# Altium PCB STM32F103最小系统板V1_0.PcbDoc (part 2 of 2)
Units mil, origin at the board's own origin, x right, y up, seen from the top; angles counter-clockwise.
Board outline 3570.03 x 4250.03 mil, 2 copper layers (Top Layer, Bottom Layer); 203 components, 158 nets, 636 pads, 276 vias.
Unrouted connection lines stored in the file: 3.
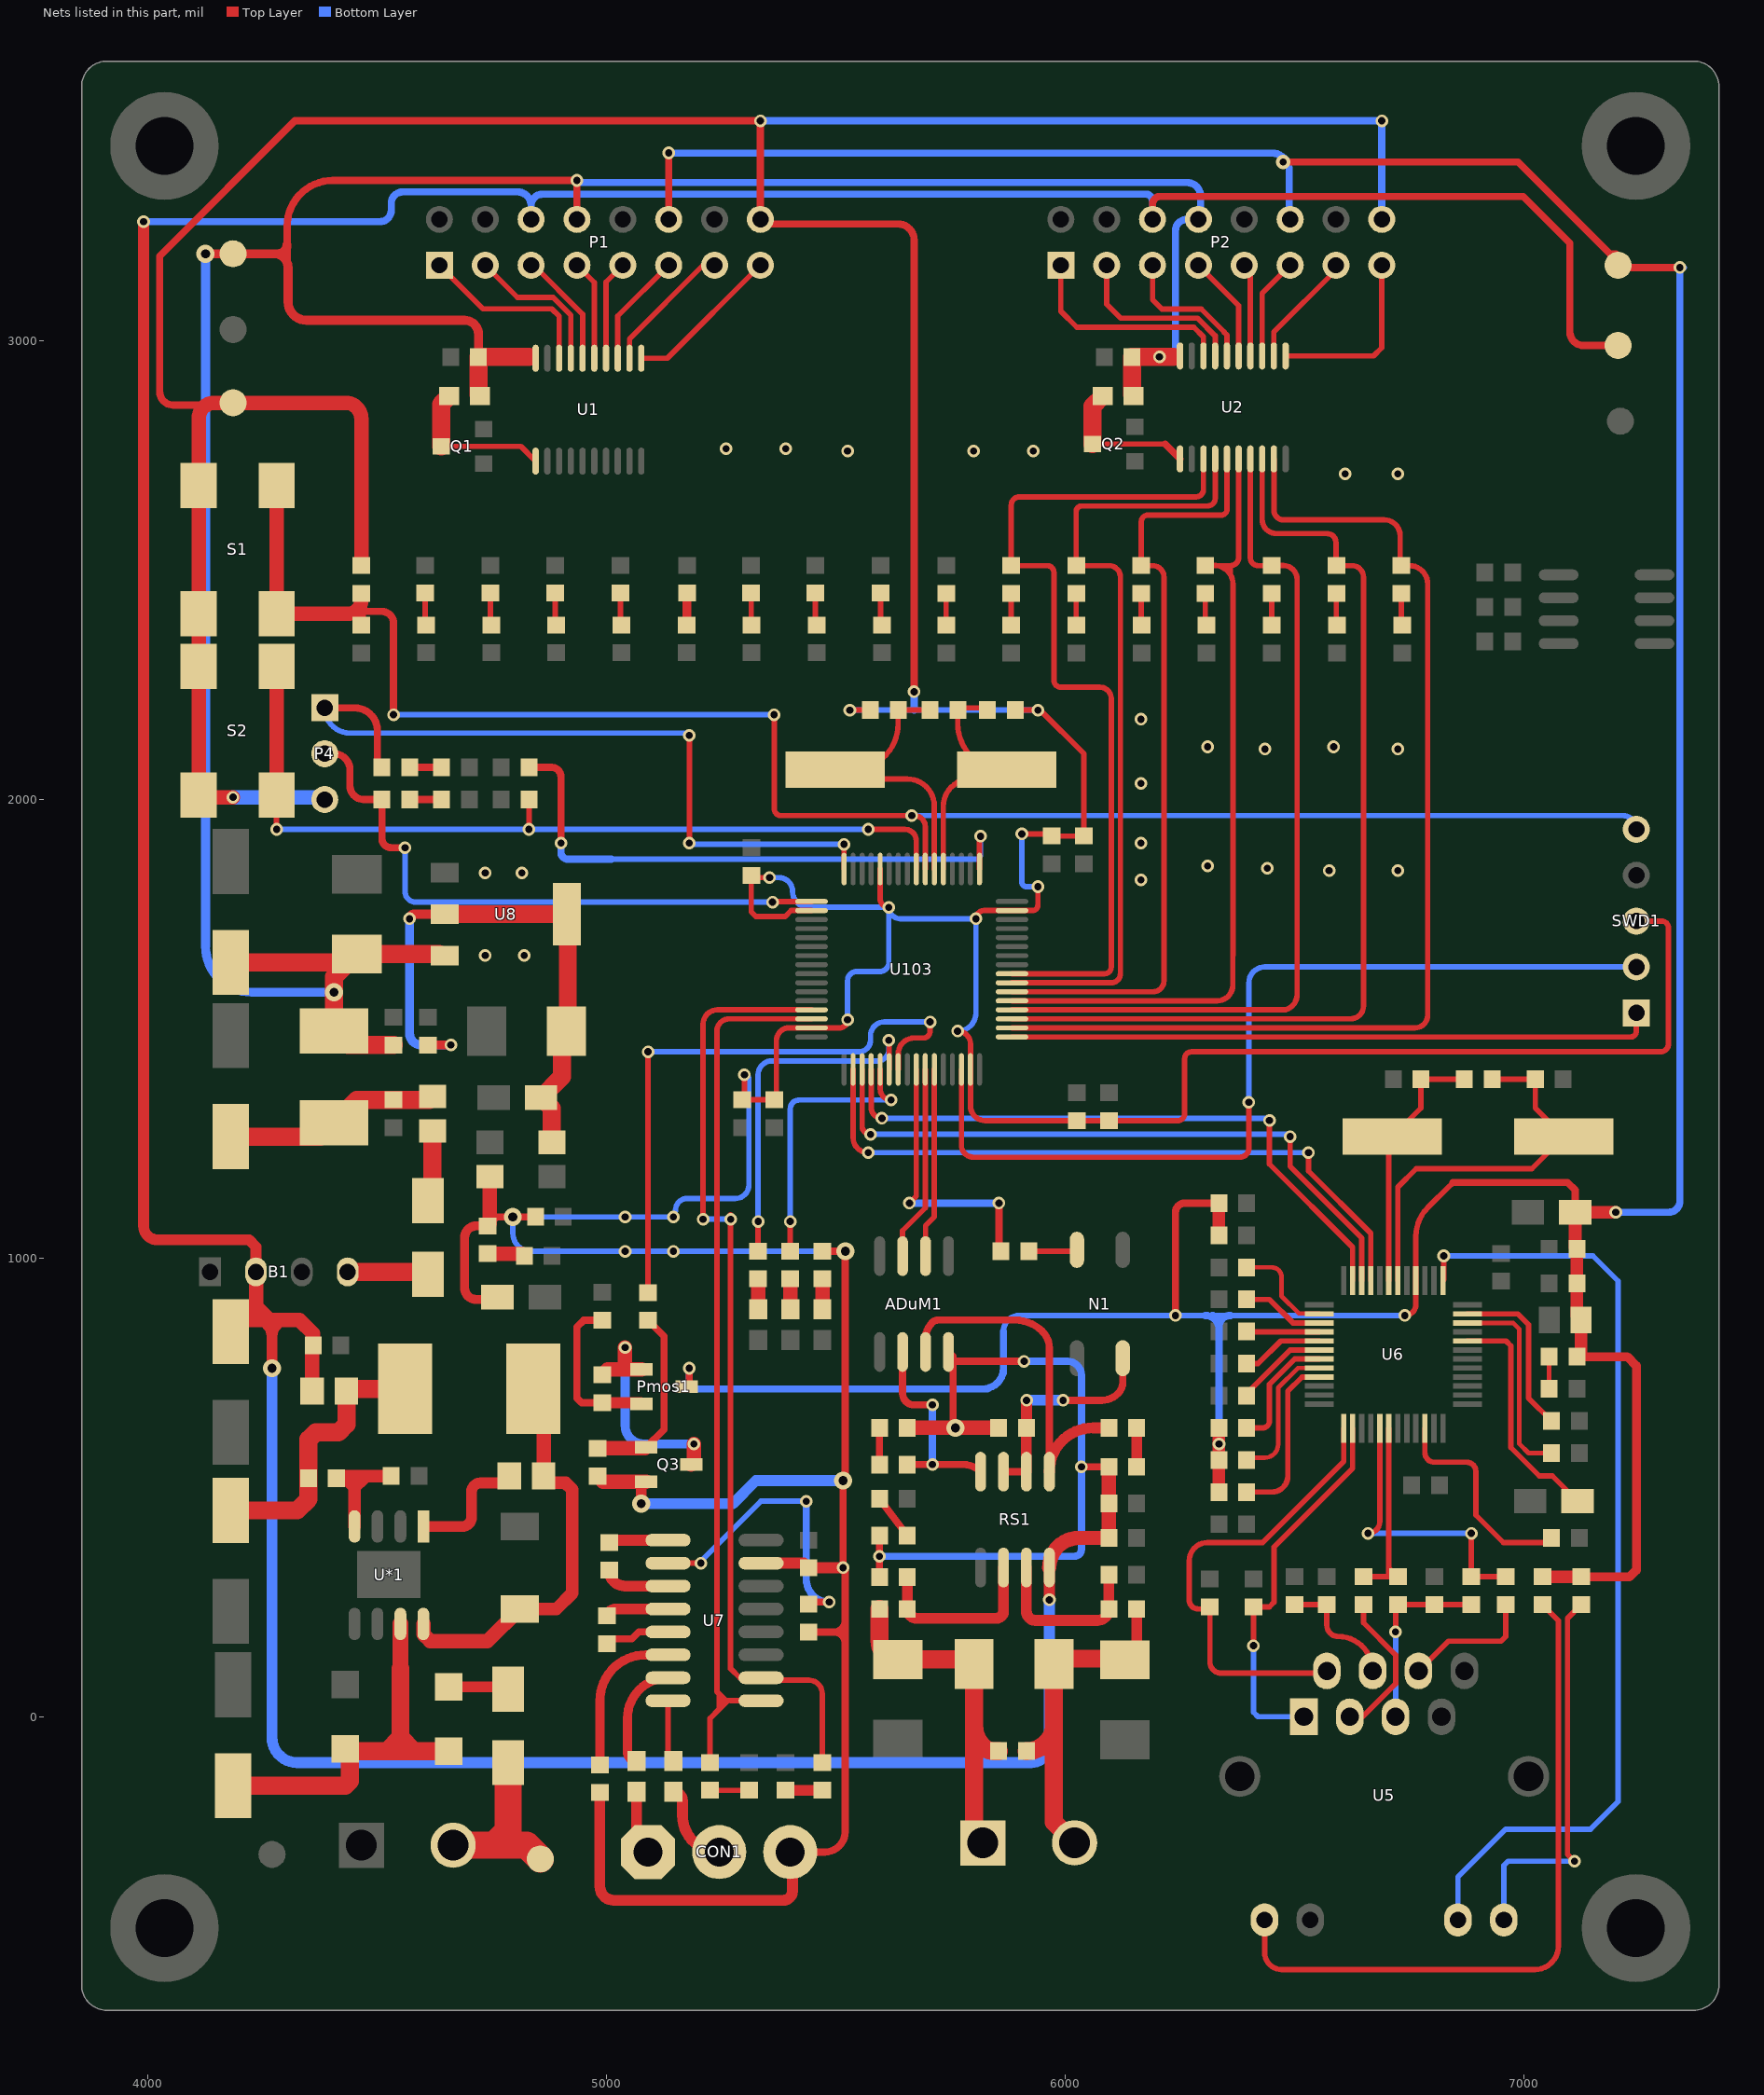
[diagram p2: the nets of this part, all layers, seen from the top]

## Via types
v1: diameter 27.56, hole 15.75, Top Layer to Bottom Layer, 227 vias
v2: diameter 31.5, hole 23.62, Top Layer to Bottom Layer, 32 vias
v3: diameter 39.37, hole 19.68, Top Layer to Bottom Layer, 14 vias
v4: diameter 51.18, hole 27.56, Top Layer to Bottom Layer, 2 vias
v5: diameter 31.5, hole 15.75, Top Layer to Bottom Layer, 1 vias

## Nets (pads, with @x,y where several pads share a name; then routed paths per layer and width w, separated by ;. In a path a pad name is that pad's centre, name@x,y a point inside that pad or via, vN(x,y) a via of type N, cw(c..) or ccw(c..) an arc to the next point about the centre after c; other vN are vias at no path point) (continued)
IN_OUT10: D4.K U2.3 U103.56 | length 1931.9
  Top Layer w11.81: U103.56@5883.5,1620.16 6085.16,1620.16 ccw(c6085.16,1635) 6100,1635 6100,2220 ccw(c6075,2220) 6075,2245 5990,2245 cw(c5990,2260) 5975,2260 5975,2495 ccw(c5960,2495) 5960,2510 D4.K@5881.8,2510 5881.8,2641.8 cw(c5900,2641.8) 5900,2660 6285,2660 ccw(c6285,2676.02) 6301.02,2676.02 U2.3@6301.02,2742.8
IN_OUT11: D6.K U2.4 U103.55 | length 1756.9
  Top Layer w11.81: U103.55@5883.5,1600.47 5965,1600.47 ; 5975,1600.47 5965,1600.47 ; U2.4@6326.61,2742.8 6326.61,2656.61 cw(c6310,2656.61) 6310,2640 6035,2640 ccw(c6035,2628.6) 6023.6,2628.6 D6.K@6023.6,2510 6095,2510 cw(c6095,2485) 6120,2485 6120,1620.47 cw(c6100,1620.47) 6100,1600.47 5965,1600.47
IN_OUT12: D8.K U2.5 U103.54 | length 1697.3
  Top Layer w11.81: U103.54@5883.5,1580.79 6190.79,1580.79 ccw(c6190.79,1605) 6215,1605 6215,1680.79 6215,2485 ccw(c6190,2485) 6190,2510 D8.K@6165.39,2510 6165.39,2605.39 cw(c6180.31,2605.39) 6180.31,2620.32 6340.31,2620.31 ccw(c6340.31,2632.2) 6352.2,2632.2 U2.5@6352.2,2742.8
IN_OUT13: D12.K U2.6 U103.53 | length 1791.6
  Top Layer w11.81: U103.53@5883.5,1561.1 6331.1,1561.1 ccw(c6331.1,1595) 6365,1595 6365,1675 6365.31,1675 ; 6365.31,1661.1 6365.31,1675 ; U2.6@6377.8,2742.8 6377.8,2527.8 cw(c6360,2527.8) 6360,2510 ; 6330.03,2510 cw(c6325,2470) 6360,2490.01 ; 6330.03,2510 ccw(c6325,2470) 6325,2510.31 D12.K@6305,2510.31 6305,2510 6330.03,2510 ; 6330.03,2510 6360,2510 ; 6360,2490.01 cw(c6325,2470) 6365.31,2470 6365.31,1675 ; 6360,2490.01 6360,2510
IN_OUT14: D11.K U2.7 U103.52 | length 1911.4
  Top Layer w11.81: U103.52@5883.5,1541.42 6395,1541.42 ; U2.7@6403.39,2742.8 6403.39,2526.61 ccw(c6420,2526.61) 6420,2510 D11.K@6450,2510 ; 6405.31,1541.42 6395,1541.42 ; D11.K@6450,2520 D11.K@6450,2510.31 6475,2510.31 cw(c6475,2480) 6505.31,2480 6505.31,1575.31 cw(c6470,1575.31) 6479.9,1541.42 6395,1541.42
IN_OUT15: D14.K U2.8 U103.51 | length 2207.7
  Top Layer w11.81: U103.51@5883.5,1521.73 6621.73,1521.73 ccw(c6621.73,1550) 6650,1550 6650,1615 ; U2.8@6428.98,2742.8 6428.98,2611.02 ccw(c6460,2611.02) 6460,2580 6570,2580 cw(c6570,2560) 6590,2560 6590,2510.79 ccw(c6590.79,2510.79) D14.K@6590.79,2510 ; D14.K@6590.79,2524.21 D14.K@6590.79,2510 ; 6650,1595 6650,1615 ; 6650,2460 6650,2450 ; D14.K@6590.79,2510 6625,2510 cw(c6625,2485) 6650,2485 6650,2450 ; 6650,1615 6650,2450
IN_OUT16: D16.K U2.9 U103.50 | length 2428.5
  Top Layer w11.81: U103.50@5883.5,1502.05 6762.05,1502.05 ccw(c6762.05,1530) 6790,1530 6790,2470 ccw(c6750,2470) 6750,2510 D16.K@6732.58,2510 cw(c6732.58,2512.58) 6730,2512.58 6730,2575 ccw(c6695,2575) 6695,2610 6475,2610 cw(c6475,2630) 6455,2630 6455,2742.36 U2.9@6454.57,2742.8
INTERNETRST: R68.2 U103.39 | length 1333.2
  Top Layer w11.81: R68.2@5090,925 v1(5090,1450) ; U103.39@5635.47,1411.5 5635.47,1445.47 cw(c5670,1445.47) 5670,1480 5690,1480 ccw(c5690,1495) 5705,1495 v1(5705,1515)
  Bottom Layer w11.81: v1(5090,1450) 5550,1450 ccw(c5550,1475) 5575,1475 5575,1485 cw(c5605,1485) 5605,1515 v1(5705,1515)
LD1: D19.K U103.37 | length 621.2
  Top Layer w11.81: D19.K@5400,1015.31 v1(5400,1080) ; U103.37@5596.1,1411.5 5596.1,1368.9 ccw(c5620,1368.9) v1(5620,1345)
  Bottom Layer w11.81: v1(5400,1080) 5400,1325 cw(c5420,1325) 5420,1345 v1(5620,1345)
LD2: D20.K U103.38 | length 785
  Top Layer w11.81: D20.K@5330,1015.31 v1(5330,1080) ; v1(5615,1475) cw(c5615,1474.21) 5615.79,1474.21 U103.38@5615.79,1411.5
  Bottom Layer w11.81: v1(5330,1080) 5330,1400 cw(c5360,1400) 5360,1430 5590,1430 ccw(c5590,1455) 5615,1455 v1(5615,1475)
LINKLED: U5.11 U6.25 | length 2100.5
  Top Layer w11.81: U6.25@6825,953.15 v1(6825,1005)
  Bottom Layer w11.81: v1(6825,1005) 7150,1005 7205,950 7205,-185 7145,-245 6960,-245 6855.87,-349.13 U5.11@6855.87,-442.91
NetADuM1_6: ADuM1.6 D18.K RS1.4 | length 463.6
  Top Layer w15.75: ADuM1.6@5645,795.51 5645,705 ccw(c5670,705) 5670,680 v1(5710,680) ; D18.K@5655.31,550 v1(5710,550) 5777.55,550 cw(c5777.55,497.04) RS1.4@5815,534.49
  Bottom Layer w15.75: v1(5710,550) v1(5710,680)
NetADuM1_7: ADuM1.7 D17.K RS1.1 | length 810.2
  Top Layer w15.75: ADuM1.7@5695,795.51 5695,823.79 cw(c5746.21,823.79) 5710,860 cw(c5722.07,847.93) 5722.07,865 5889.65,865 cw(c5889.65,779.65) 5950,840 cw(c5913.79,803.79) 5965,803.79 RS1.1@5965,534.49
  Top Layer w23.62: RS1.1@5965,534.49 cw(c6060.51,534.49) 6060.51,630 D17.K@6094.69,630
NetB1_4: B1.4 D27.1 | length 190
  Top Layer w39.37: B1.4@4435,970 D27.1@4625,970
NetC4_2: C4.2 R30.2 U103.5 Y1.2 | length 584.9
  Top Layer w11.81: U103.5@5733.9,1848.5 5733.9,1985 cw(c5793.9,1985) Y1.2@5793.9,2045 ; Y1.2@5780,2045 Y1.2@5793.9,2045 ; C4.2@5829.69,2200 R30.2@5770.32,2200 ; Y1.2@5865.32,2065 cw(c5865.32,2165) 5765.32,2165 R30.2@5765.32,2195 ; Y1.2@5872.01,2045 Y1.2@5793.9,2045 ; R30.2@5765.32,2195 cw(c5770.32,2195) R30.2@5770.32,2200 ; R30.2@5765.32,2195 cw(c5770.32,2195) R30.2@5770.32,2200
NetC6_2: C6.2 R30.1 U103.6 Y1.1 | length 681.1
  Top Layer w11.81: Y1.1@5497.99,2045 5655,2045 cw(c5655,1985.79) 5714.21,1985.79 U103.6@5714.21,1848.5 ; Y1.1@5497.99,2065 5535.32,2065 ccw(c5535.32,2165) 5635.32,2165 C6.2@5635.32,2195 R30.1@5704.69,2195
NetC20_2: C20.2 R49.2 U6.31 Y2.1 | length 562
  Top Layer w11.81: U6.31@6705.16,951.42 6705.16,1257.16 Y2.1@6712.99,1265 6775.31,1327.32 C20.2@6775.31,1390 R49.2@6869.68,1390
NetC22_2: C22.2 R49.1 U6.30 Y2.2 | length 863.5
  Top Layer w11.81: U6.30@6724.84,951.42 6724.84,1154.84 6765,1195 7017.01,1195 Y2.2@7087.01,1265 7024.69,1327.32 7024.69,1395 7019.69,1390 R49.1@6930.31,1390
NetC27_1: C27.1 U6.20 | length 514.7
  Top Layer w11.81: U6.20@6876.42,819.53 6960.47,819.53 6971.22,808.78 6971.22,587.22 7033.44,525 7061.57,525 C27.1@7116.57,470
NetC32_1: C32.1 U7.3 | length 148.3
  Top Layer w23.62: C32.1@5005,319.69 ccw(c5039.69,319.69) 5039.69,285 U7.3@5133.54,285
NetC32_2: C32.2 U7.1 | length 131.2
  Top Layer w23.62: C32.2@5005,380.31 cw(c5009.69,380.31) 5009.69,385 U7.1@5133.54,385
NetC33_1: C33.1 U7.2 | length 655.9
  Top Layer w11.81: U7.2@5133.54,335 v1(5205,335)
  Top Layer w15.75: C33.1@5440,245.31 cw(c5444.69,245.31) 5444.69,250 v1(5485,250)
  Bottom Layer w11.81: v1(5205,335) 5205,338.97 5336.03,470 v1(5435,470)
  Bottom Layer w15.75: v1(5435,470) 5435,300 ccw(c5485,300) v1(5485,250)
NetC34_1: C34.1 U7.5 | length 146.1
  Top Layer w15.75: C34.1@5000,154.69 5015.31,170 5055,170 5070,185 U7.5@5133.54,185
NetC34_2: C34.2 U7.4 | length 144.8
  Top Layer w23.62: C34.2@5000,215.31 cw(c5019.69,215.31) 5019.69,235 U7.4@5133.54,235
NetC35_1: C35.1 U7.6 | length 345.3
  Top Layer w19.68: C35.1@4985,-104.69 4985,35 cw(c5085,35) 5085,135 U7.6@5133.54,135
NetC36_1: C36.1 D26.2 L2.1 U*1.8 | length 880.2
  Top Layer w27.56: D26.2@4810,235 4890,235 4925,270 4925,495 4910,510 C36.1@4872.4,510
  Top Layer w31.5: U*1.8@4600,202.4 4600,180 4615,165 4740,165 D26.2@4810,235 ; L2.1@4840,715 4862.4,692.6 C36.1@4862.4,525
NetC36_2: C36.2 U*1.1 | length 275.4
  Top Layer w23.62: U*1.1@4600,415 4685,415 ccw(c4685,435) 4705,435 4705,490 cw(c4725,490) 4725,510 C36.2@4797.6,510
NetC37_2: C37.2 E1.1 F1.2 U*1.7 | length 891.4
  Top Layer w35.04: 4550,105 U*1.7@4550,202.4
  Top Layer w39.37: E1.1@4185,-150 4430,-150 4440,-140 C37.2@4440,-75 ; C37.2@4420,-75 C37.2@4440,-75 ; 4550,105 4550,-45 ; F1.2@4655,-75 4580,-75 ; C37.2@4440,-75 4520,-75 ; 4520,-75 4550,-45 ; 4520,-75 4580,-75 ; 4550,-45 4580,-75
NetC40_2: C40.2 D29.2 E4.1 L3.1 U8.2 U8.4 | length 1281.3
  Top Layer w19.68: v1(4570,1740) cw(c4580,1740) 4580,1750 U8.2@4647.13,1750 ; C40.2@4610,1464.69 4610.31,1465 v1(4660,1465)
  Top Layer w39.37: U8.2@4647.13,1750 U8.4@4912.87,1750 4915,1750 4915,1526.26 D29.2@4892.87,1504.13 ; L3.1@4880,1252.4 4880,1326.57 E4.1@4856.57,1350 4902.01,1395.43 D29.2@4902.01,1495
  Bottom Layer w19.68: v1(4570,1740) 4570,1490 ccw(c4595,1490) 4595,1465 v1(4660,1465)
NetC41_2: C41.2 E6.1 F3.2 L4.1 | length 423.8
  Top Layer w39.37: E6.1@4180,1265 L4.1@4375,1265 ; L4.1@4405,1295 4455.31,1345.31 C41.2@4535,1345.31 F3.2@4612.91,1345.31
NetCON1_1: CON1.1 R61.1 | length 145.8
  Top Layer w23.62: R61.1@5065,-163.46 5065,-270 ccw(c5090,-270) CON1.1@5090,-295
NetCON1_2: CON1.2 R62.1 | length 188.6
  Top Layer w23.62: R62.1@5145,-163.46 cw(c5145,-183.46) 5165,-183.46 5165,-215 ccw(c5245,-215) CON1.2@5245,-295
NetD1_A: D1.A R3.2 | length 67.8
  Top Layer w11.81: R3.2@4604.21,2382.25 D1.A@4604.21,2450
NetD2_A: D2.A R4.2 | length 69.1
  Top Layer w11.81: R4.2@5740,2380.32 D2.A@5740,2449.37
NetD3_A: D3.A R5.2 | length 67.5
  Top Layer w11.81: R5.2@4746.01,2382.45 D3.A@4746.01,2450
NetD4_A: D4.A R6.2 | length 68.9
  Top Layer w11.81: R6.2@5881.8,2380.52 D4.A@5881.8,2449.37
NetD5_A: D5.A R7.2 | length 67.3
  Top Layer w11.81: R7.2@4887.81,2382.65 D5.A@4887.81,2450
NetD6_A: D6.A R8.2 | length 68.7
  Top Layer w11.81: R8.2@6023.6,2380.72 D6.A@6023.6,2449.37
NetD7_A: D7.A R9.2 | length 67.1
  Top Layer w11.81: R9.2@5029.61,2382.85 D7.A@5029.61,2450
NetD8_A: D8.A R10.2 | length 68.4
  Top Layer w11.81: R10.2@6165.39,2380.92 D8.A@6165.39,2449.37
NetD9_A: D9.A R13.2 | length 68.4
  Top Layer w11.81: R13.2@5314.83,2381.63 D9.A@5314.83,2450
NetD10_A: D10.A R11.2 | length 68.4
  Top Layer w19.68: R11.2@5174.83,2381.63 D10.A@5174.83,2450
NetD11_A: D11.A R14.2 | length 69.4
  Top Layer w11.81: R14.2@6450,2380.32 D11.A@6450,2449.68
NetD12_A: D12.A R12.2 | length 66.4
  Top Layer w11.81: R12.2@6305,2383.32 D12.A@6305,2449.68
NetD13_A: D13.A R15.2 | length 66.5
  Top Layer w11.81: R15.2@5455,2383.46 D13.A@5455,2450
NetD14_A: D14.A R16.2 | length 67.8
  Top Layer w11.81: R16.2@6590.79,2381.53 D14.A@6590.79,2449.37
NetD15_A: D15.A R17.2 | length 66.3
  Top Layer w11.81: R17.2@5596.8,2383.66 D15.A@5596.8,2450
NetD16_A: D16.A R18.2 | length 67.6
  Top Layer w11.81: R18.2@6732.58,2381.73 D16.A@6732.58,2449.37
NetD17_A: D17.A R20.1 | length 85
  Top Layer w23.62: R20.1@6155.31,545 D17.A@6155.32,630
NetD18_A: D18.A R21.2 | length 80
  Top Layer w15.75: D18.A@5594.68,550 R21.2@5594.68,630
NetD19_A: D19.A R32.2 | length 66.2
  Top Layer w31.5: R32.2@5400,888.46 D19.A@5400,954.68
NetD20_A: D20.A R34.2 | length 66.2
  Top Layer w31.5: R34.2@5330,888.46 D20.A@5330,954.68
NetD21_A: D21.A R36.1 | length 66.2
  Top Layer w31.5: R36.1@5470,888.46 D21.A@5470,954.68
NetD22_A: D22.A R46.1 | length 70
  Top Layer w10: D22.A@7054.68,715 R46.1@7054.69,785
NetD23_A: D23.A R59.1 | length 85
  Top Layer w11.81: D23.A@5225,-160.32 R59.1@5310,-160.31
NetD24_A: D24.A R60.2 | length 80
  Top Layer w23.62: R60.2@5390,-160.32 D24.A@5470,-160.32
NetD25_2: D25.2 F1.1 | length 132.9
  Top Layer w23.62: F1.1@4655,65 4780,65 cw(c4780,60) D25.2@4785,60
NetD27_2: D27.2 F3.1 | length 142.6
  Top Layer w39.37: D27.2@4620,1135 F3.1@4620,1277.6
NetD30_A: D30.A R65.1 | length 96.4
  Top Layer w15.75: D30.A@5594.68,475 R65.1@5652.91,398.18
NetD31_A: D31.A R66.2 | length 75.3
  Top Layer w31.5: D31.A@4740,1009.68 R66.2@4815.32,1009.68
NetD32_A: D32.A R71.2 | length 69.4
  Top Layer w15.75: D32.A@4570.32,2070 R71.2@4639.68,2070
NetD33_A: D33.A R70.2 | length 69.4
  Top Layer w15.75: D33.A@4570.32,2000 R70.2@4639.68,2000
NetE2_1: E2.1 F2.1 L2.2 R63.2 | length 601.4
  Top Layer w39.37: E2.1@4180,450 4325,450 4349.68,474.68 4349.68,540 4349.68,604.68 4365,620 4415,620 4432.4,637.4 F2.1@4432.4,710 ; F2.1@4437.4,715 L2.2@4560,715
NetFB1_1: FB1.1 P3.2 R24.2 TVS1.1 TVS2.2 | length 798
  Top Layer w23.62: TVS2.2@5975,115 cw(c5986.79,115) TVS2.2@5986.79,126.79 ; TVS1.1@6130,124.02 ccw(c6130,149.33) 6141.53,126.79 ccw(c6130,149.33) 6155.31,149.33 FB1.1@6155.31,235
  Top Layer w39.37: R24.2@5915.32,-75 ccw(c5915.32,-15.41) 5957.45,-57.55 5960.01,-54.99 ccw(c5923.79,-18.79) 5975,-18.79 ; TVS2.2@5975,115 5975,-18.79 ; TVS2.2@5986.79,126.79 TVS1.1@6141.53,126.79 ; P3.2@6020,-275 5975,-230 5975,-18.79
NetFB1_2: FB1.2 R23.2 RS1.7 | length 375.9
  Top Layer w23.62: RS1.7@5915,325.51 5915,230 ccw(c5935,230) 5935,210 6069.68,210 ccw(c6069.68,235) FB1.2@6094.68,235 R23.2@6094.68,310
NetFB2_1: FB2.1 P3.1 R24.1 TVS2.1 TVS3.2 | length 790.9
  Top Layer w39.37: FB2.1@5594.69,235 5594.69,165.31 ccw(c5635,165.31) TVS3.2@5635,125 5790.98,125 cw(c5790.98,115) TVS2.1@5800.98,115 5800.98,-19.09 ; P3.1@5820,-275 5800.98,-255.98 5800.98,-19.09 ; R24.1@5854.69,-75 5844.14,-75 cw(c5844.14,-40.86) 5820,-65 cw(c5865.91,-19.09) 5800.98,-19.09
NetFB2_2: FB2.2 R25.1 RS1.6 | length 395.2
  Top Layer w23.62: R25.1@5655.31,305 FB2.2@5655.32,235 ccw(c5675.31,235) 5675.31,215 5850,215 ccw(c5850,230) 5865,230 RS1.6@5865,325.51
NetJ1_1: J1.1 Pmos1.2 R67.2 | length 359.1
  Top Layer w15.75: R67.2@4990,684.68 4945.32,684.68 4935,695 4935,850 4949.69,864.69 J1.1@4990,864.69
  Top Layer w23.62: R67.2@4990,684.68 Pmos1.2@5073.7,684.68
NetN1_2: N1.2 R22.2 | length 106.5
  Top Layer w11.81: R22.2@5920.32,1015 6021.89,1015 ccw(c6021.89,1018.11) N1.2@6025,1018.11
NetN1_4: N1.4 R19.2 RS1.2 RS1.3 | length 488.8
  Top Layer w15.75: RS1.3@5865,534.49 RS1.2@5915,534.49 ; v1(5995,690) 6078.79,690 ccw(c6078.79,741.21) 6115,705 ccw(c6090.86,729.14) 6125,729.14 N1.4@6125,781.89
  Top Layer w23.62: RS1.2@5915,534.49 R19.2@5915,630 ; R19.2@5915.32,630 v1(5915.32,690)
  Bottom Layer w23.62: v1(5915.32,690) v1(5995,690)
NetP1_1: P1.1 U1.18 | length 398.8
  Top Layer w11.81: P1.1@4635,3165 4730,3070 4880,3070 4896.02,3053.98 U1.18@4896.02,2962.2
NetP1_3: P1.3 U1.17 | length 325.7
  Top Layer w11.81: P1.3@4735,3165 4805,3095 4882.84,3095 4921.61,3056.22 U1.17@4921.61,2962.2
NetP1_5: P1.5 U1.16 | length 252.6
  Top Layer w11.81: P1.5@4835,3165 4840.68,3165 4947.2,3058.47 U1.16@4947.2,2962.2
NetP1_7: P1.7 U1.15 | length 218.5
  Top Layer w11.81: P1.7@4935,3165 4972.8,3127.2 U1.15@4972.8,2962.2
NetP1_9: P1.9 U1.14 | length 218
  Top Layer w11.81: U1.14@4998.39,2962.2 4998.39,3128.39 P1.9@5035,3165
NetP1_11: P1.11 U1.13 | length 248.8
  Top Layer w11.81: U1.13@5023.98,2962.2 5023.98,3053.98 P1.11@5135,3165
NetP1_13: P1.13 U1.12 | length 294.2
  Top Layer w11.81: U1.12@5049.57,2962.2 5049.57,3004.57 5210,3165 P1.13@5235,3165
NetP1_15: P1.15 U1.11 | length 343.8
  Top Layer w11.81: U1.11@5075.16,2962.2 5132.2,2962.2 P1.15@5335,3165
NetP2_1: P2.1 U2.18 | length 476
  Top Layer w11.81: P2.1@5990,3165 5990,3065 6025,3030 6280,3030 6301.02,3008.98 U2.18@6301.02,2967.2
NetP2_3: P2.3 U2.17 | length 394.1
  Top Layer w11.81: P2.3@6090,3165 6090,3080 6120.31,3049.69 6288.15,3049.69 6326.61,3011.22 U2.17@6326.61,2967.2
NetP2_5: P2.5 U2.16 | length 315.2
  Top Layer w11.81: P2.5@6190,3165 6190,3090 6210.63,3069.37 6296.31,3069.37 6346.3,3019.38 6346.3,3018.7 6352.2,3012.8 U2.16@6352.2,2967.2
NetP2_7: P2.7 U2.15 | length 234.2
  Top Layer w11.81: P2.7@6290,3165 6377.8,3077.2 U2.15@6377.8,2967.2
NetP2_9: P2.9 U2.14 | length 203.3
  Top Layer w11.81: P2.9@6390,3165 6403.39,3151.61 U2.14@6403.39,2967.2
NetP2_11: P2.11 U2.13 | length 223.1
  Top Layer w11.81: U2.13@6428.98,2967.2 6428.98,3103.98 P2.11@6490,3165
NetP2_13: P2.13 U2.12 | length 253.9
  Top Layer w11.81: U2.12@6454.57,2967.2 6454.57,3019.57 6590,3155 P2.13@6590,3165
NetP2_15: P2.15 U2.11 | length 397.2
  Top Layer w11.81: U2.11@6480.16,2967.2 6672.2,2967.2 6690,2985 P2.15@6690,3165
NetPmos1_1: Pmos1.1 Q3.3 R67.1 | length 523.6
  Top Layer w31.5: R67.1@4990,745.31 5002.09,757.4 Pmos1.1@5075.79,757.4 ; 5040,762.4 v1(5040,805) ; Q3.3@5184.21,550 5190,555.79 v1(5190,595)
  Bottom Layer w19.68: v1(5040,805) 5040,635 ccw(c5080,635) 5080,595 v1(5190,595)
NetQ1_3: Q1.3 R1.1 U1.1 | length 336.8
  Top Layer w11.81: Q1.3@4638.74,2770 4812.64,2770 U1.1@4844.84,2737.8
  Top Layer w39.37: Q1.3@4638.74,2770 4638.74,2862.2 R1.1@4656.54,2880
NetQ2_3: Q2.3 R2.1 U2.1 | length 318.9
  Top Layer w11.81: Q2.3@6058.74,2775 6217.64,2775
  Top Layer w15.75: 6217.64,2775 U2.1@6249.84,2742.8
  Top Layer w39.37: Q2.3@6058.74,2775 6058.74,2857.2 R2.1@6081.54,2880
NetQ3_1: Q3.1 R68.1 R69.2 | length 411.4
  Top Layer w15.75: Q3.1@5085.79,587.4 5125,626.61 5125,829.37 R68.1@5090,864.37